# Altium PCB 3-as-manufactured.pcbdoc (part 10 of 12)
Units mil, origin at the board's own origin, x right, y up, seen from the top; angles counter-clockwise.
Board outline 2728 x 2217 mil, 8 copper layers (L1_TOP, L2_GND, L3_INNER1, L4_GND, L5_PWR, L6_INNER2, L7_GND, L8_BOT), stack 48.618 mil thick; 227 components, 321 nets, 1592 pads, 1187 vias.
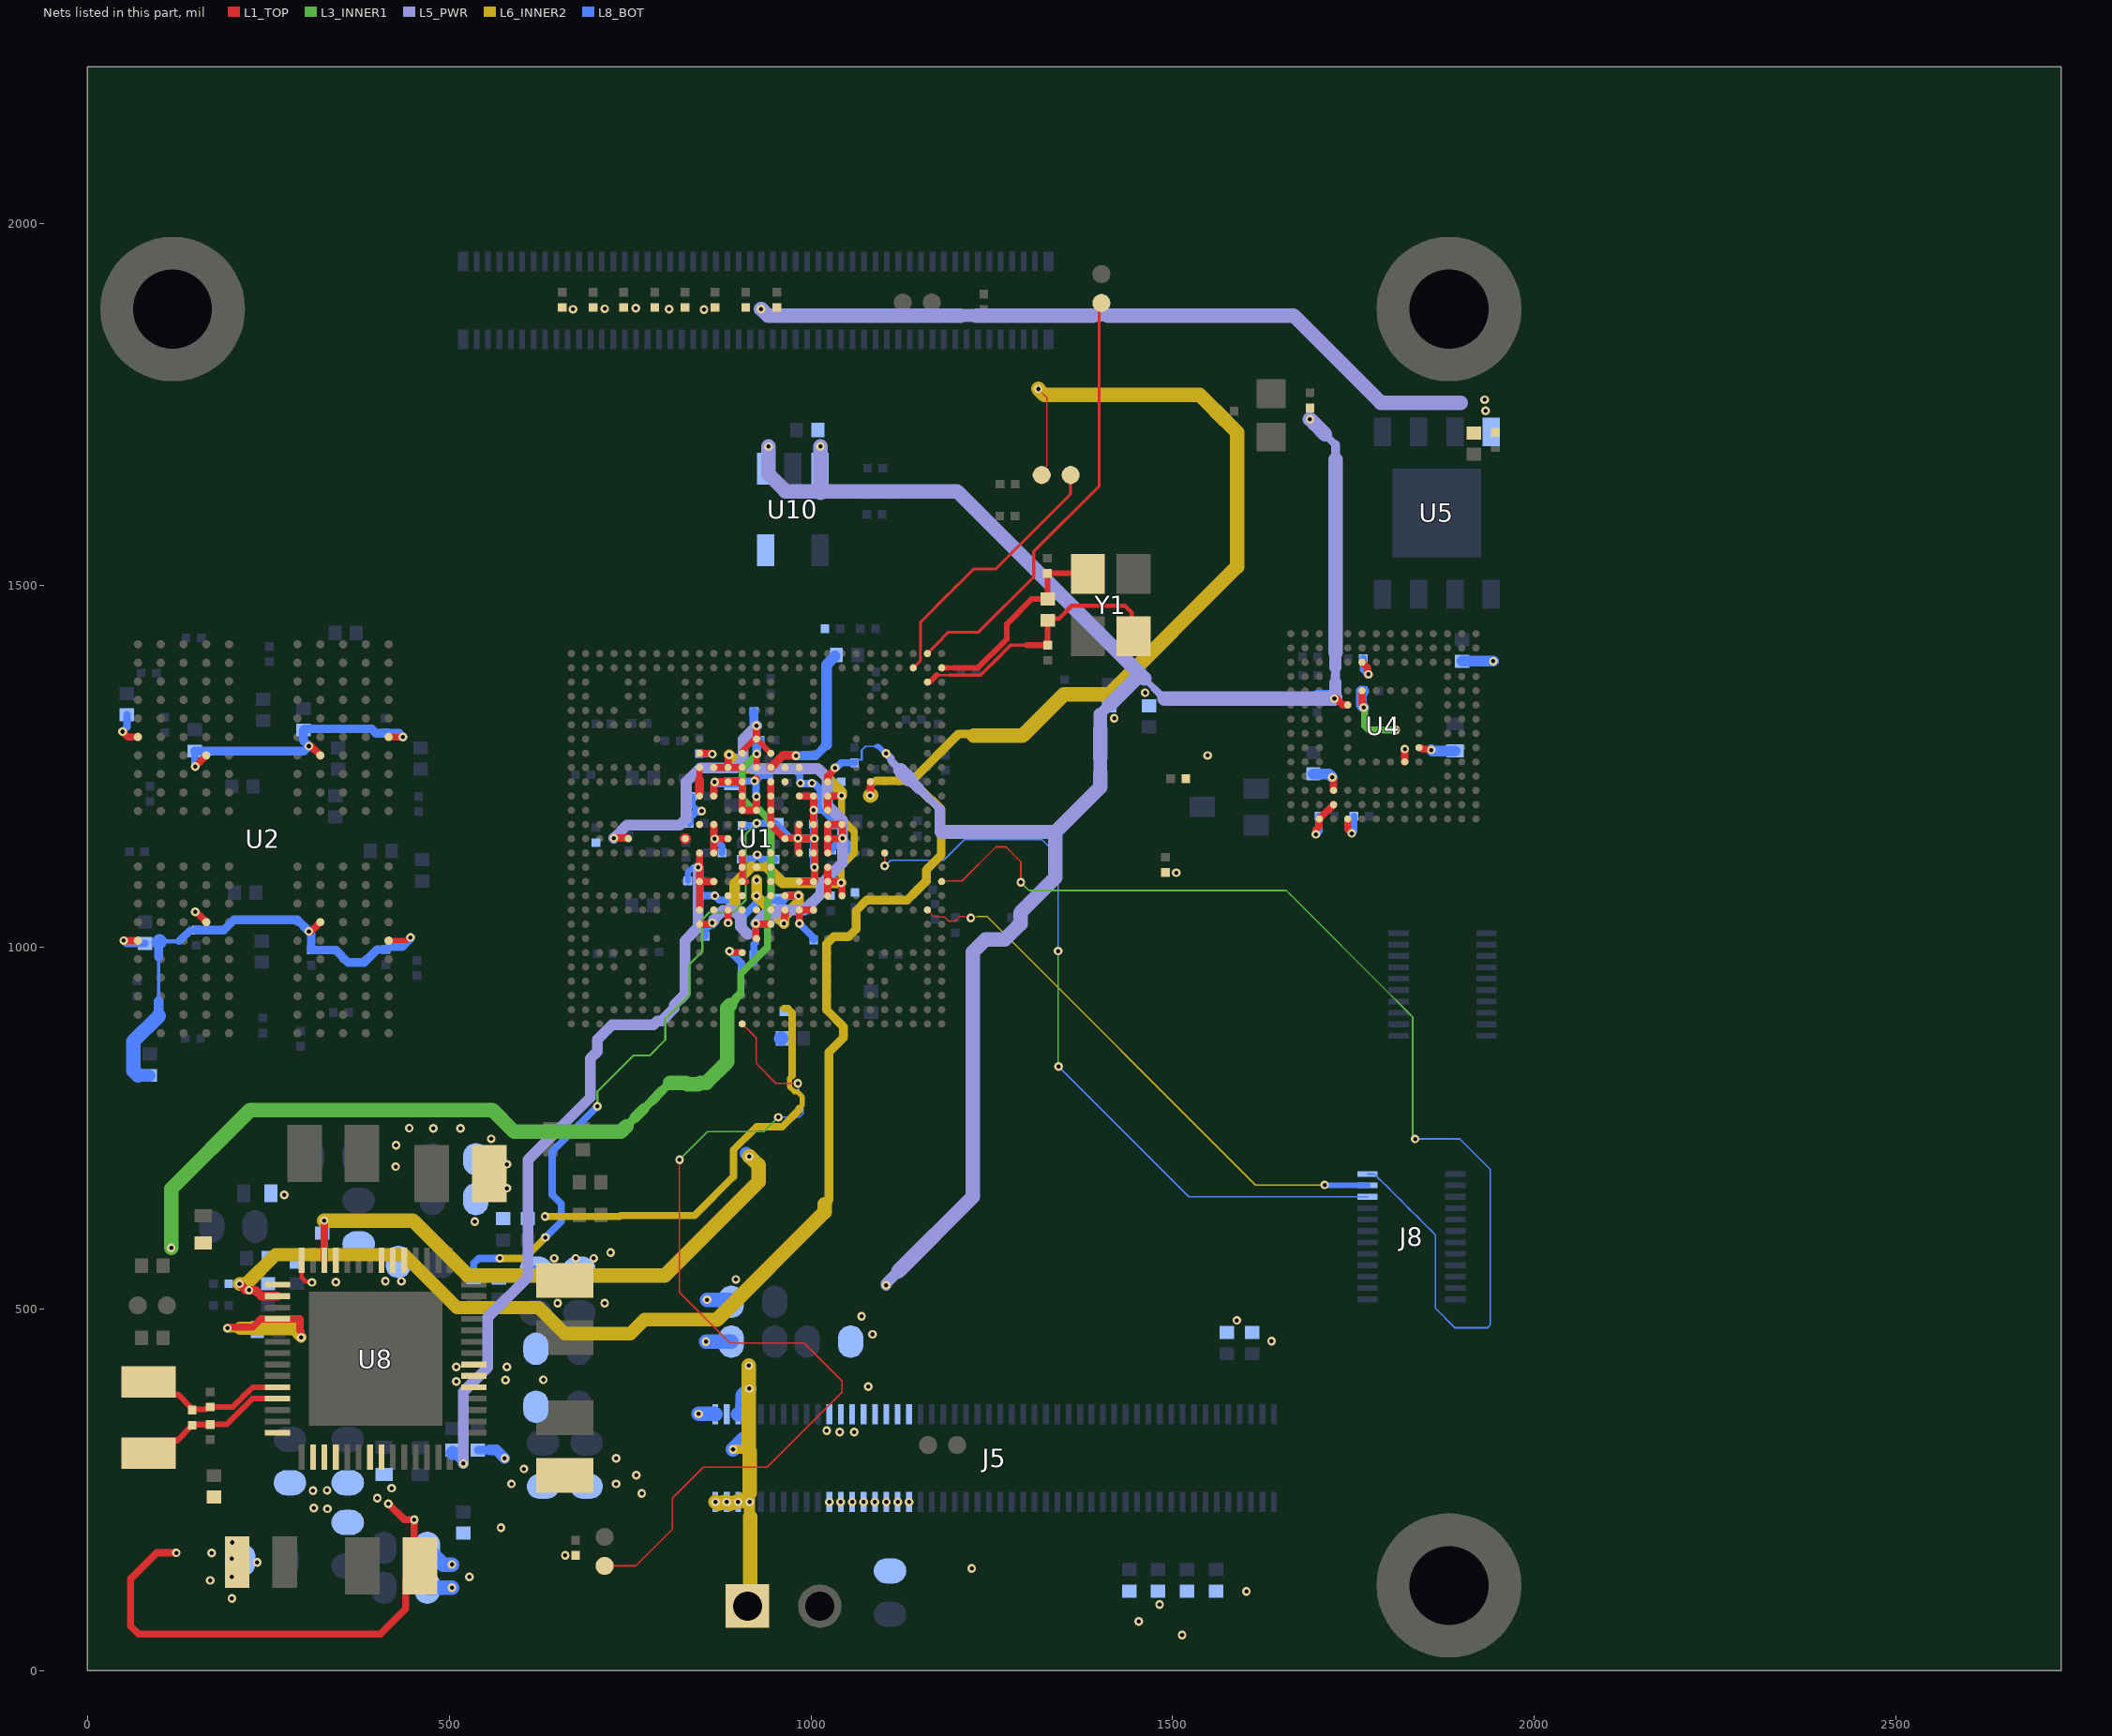
[diagram p16: the nets of this part, all layers, seen from the top]

## Via types
v1: diameter 12, hole 5.9, L1_TOP to L8_BOT, tented both sides, 1041 vias
v2: diameter 18, hole 8, L1_TOP to L8_BOT, tented both sides, 146 vias

## Nets (pads, with @x,y where several pads share a name; then routed paths per layer and width w, separated by ;. In a path a pad name is that pad's centre, name@x,y a point inside that pad or via, vN(x,y) a via of type N, cw(c..) or ccw(c..) an arc to the next point about the centre after c; other vN are vias at no path point) (continued)
VDD_1V8: C3.1 C5.1 C21.1 C23.1 C105.1 C106.1 C108.1 C109.1 C130.1 C131.1 C132.1 C133.1 C138.1 C139.1 C241.1 C266.1 C317.1 C370.1 C371.1 C372.1 C384.1 C404.1 J5.22 J5.24 J5.26 J5.28 J5.30 J5.32 J5.34 J5.36 L13.2 R10.1 R11.1 R12.1 R13.1 R14.1 R15.1 R16.1 R17.1 R37.1 R47.2 R79.2 R106.1 R117.1 R118.1 U1.AB13 U1.J11 U1.J12 U1.J13 U1.L19 U1.M19 U1.T19 U1.U19 U1.V19 U1.V20 U1.W12 U2.F1 U2.F12 U2.G4 U2.G9 U2.T4 U2.T9 U2.U1 U2.U12 U4.C6 U4.M4 U4.N4 U4.P3 U4.P5 U5.8 U8.14 | length 3266.3
  L1_TOP w8: U2.F1@416.56,1009.15 440.59,1009.15 444.94,1013.5 v1(446.83,1013.5)
  L1_TOP w10: v1(48.72,1297.99) 56.06,1290.65 U2.U12@70.1,1290.65 ; v1(50.41,1009.15) U2.F12@70.1,1009.15 ; v1(149.27,1048.78) 150.55,1048.78 U2.G9@164.59,1034.74 ; v1(149.33,1249.8) U2.T9@164.59,1265.06 ; v1(306.32,1021.95) 309.28,1021.95 U2.G4@322.07,1034.74 ; v1(306.32,1277.85) 309.28,1277.85 U2.T4@322.07,1265.06 ; U2.U1@416.56,1290.65 v1(436.24,1290.65) ; U1.J11@865.83,1248.32 U1.J12@885.52,1248.32 ; U1.W12@885.52,1051.48 885.52,1033.7 v1(885.6,1033.62) ; v1(886.89,1265.9) 885.52,1264.53 U1.J12@885.52,1248.32 ; v1(887.49,994.6) 889.67,992.42 U1.AB13@905.21,992.42 ; U1.J13@905.21,1248.32 U1.J12@885.52,1248.32 ; U1.V19@1023.31,1071.16 U1.U19@1023.31,1090.84 ; U1.T19@1023.31,1110.53 U1.U19@1023.31,1090.84 ; U1.M19@1023.31,1189.27 U1.L19@1023.31,1208.96 1042.01,1208.96 v1(1042.42,1209.37) ; U1.V20@1043,1071.16 1043,1087.75 v1(1041.63,1089.12) 1039.91,1090.84 U1.U19@1023.31,1090.84 ; v1(1697.8,1156.02) 1697.8,1162.44 1702.6,1167.24 U4.P3@1702.6,1177.31 U4.N4@1722.28,1196.99 ; v1(1720.39,1234.85) 1722.28,1232.96 U4.M4@1722.28,1216.68 ; U4.P5@1741.97,1177.31 1741.97,1162.86 v1(1747.46,1157.37) ; U4.C6@1761.65,1393.84 1769.25,1386.24 1769.25,1378.09 v1(1770.27,1377.07)
  L5_PWR w16.89: 1390.18,1873.02 1410.44,1873.02
  L5_PWR w18.47: 1207.77,1873.02 1228.04,1873.02
  L5_PWR w20.06: v1(931,1882) 931.5,1882 940.48,1873.02 1207.77,1873.02 ; 1228.04,1873.02 1390.18,1873.02 ; 1410.44,1873.02 1666.98,1873.02 1787.39,1752.61 1897.91,1752.61
  L6_INNER2 w10: v1(1041.63,1089.12) 1041.63,1111.63 1060,1130 1060,1160 1042.42,1177.58 v1(1042.42,1209.37)
  L6_INNER2 w12: 917.61,1110.76 939.24,1110.76
  L6_INNER2 w15: v1(886.89,1265.9) 905.78,1247.01 929.29,1247.01 929.6,1246.7 1009.9,1246.7 1042.42,1214.19 v1(1042.42,1209.37) ; 895,1055 895,1088.16 917.61,1110.76 ; 939.24,1110.76 960.88,1089.12 v1(1041.63,1089.12)
  L8_BOT w4.21: 98.88,925.38 98.88,986.42
  L8_BOT w5.79: 100.34,1008.23 127.13,1008.23
  L8_BOT w8: v1(886.89,1265.9) 888.98,1263.81 C5.1@905,1263.81
  L8_BOT w10: v1(48.72,1297.99) 54.89,1304.16 C106.1@54.89,1321.14 ; v1(50.41,1009.15) 54.32,1005.24 C266.1@80,1005.24 ; C108.1@148.58,1271.07 148.58,1250.55 v1(149.33,1249.8) ; v1(887.49,994.6) 904,978.09 904,971.51 C21.1@905,970.51 ; v1(1697.8,1156.02) 1702.49,1160.71 C133.1@1702.49,1181 ; v1(1747.46,1157.37) 1750.49,1160.4 C132.1@1750.49,1181 ; C131.1@1763.21,1399.15 1763.21,1384.13 v1(1770.27,1377.07)
  L8_BOT w10.55: 127.13,1008.23 142.43,1023.52
  L8_BOT w12: C108.1@148.58,1271.07 299.54,1271.07 v1(306.32,1277.85) 298.93,1285.24 C109.1@298.93,1300.23 300.53,1301.83 392.82,1301.83 398.93,1295.72 C384.1@411.64,1295.72 431.17,1295.72 v1(436.24,1290.65) ; C372.1@150.6,1023.53 188.64,1023.53 203.01,1037.9 290.37,1037.9 v1(306.32,1021.95) 309.5,1018.77 C371.1@309.5,996.14 343.46,996.14 360.49,979.11 382.82,979.11 400.46,996.75 C370.1@412.78,996.75 417.03,1001 435.45,1001 436.78,1002.33 436.78,1002.64 446.83,1012.69 v1(446.83,1013.5)
  L8_BOT w12.13: 98.88,986.42 98.88,1006.77
  L8_BOT w13.72: 98.88,905.04 98.88,925.38
  L8_BOT w15: C130.1@1694.3,1239.43 1715.81,1239.43 v1(1720.39,1234.85) ; R37.1@1900,1395.24 v1(1943,1395.24)
  L8_BOT w16.89: 70.3,822.85 C105.1@86.18,822.85
  L8_BOT w20.06: 70.3,822.85 63.62,829.54 63.62,869.77 98.88,905.04 ; 98.88,1006.77 100.34,1008.23
  other v1: 200,100 170,125 200,130 1222.2,141.47 235,150 200,155 660.47,159.76 172.07,163.02 200.46,177.43 1025.54,233.27 1041.29,233.27 1057.04,233.27 1072.79,233.27 1088.54,233.27 1104.28,233.27 1120.03,233.27 1135.78,233.27 1504.72,1102.89 1548.33,1265.01 1419.2,1316.29 1461.88,1351.72 1932.21,1741.27 1931.17,1756.61 671.16,1881.64 804,1882 852.29,1881.17 715.11,1882.29 757.93,1883.15
VDD_3V3: C6.1 C8.1 C30.1 C127.1 C128.1 C129.1 C260.1 C264.1 C311.1 C312.1 C323.2 C403.1 C407.2 J5.21 J5.23 J5.25 J5.27 J5.29 J5.31 J5.33 J5.35 L11.2 R71.2 R72.2 R75.2 R76.2 R95.2 R97.2 R125.1 R146.1 U1.H10 U1.K19 U1.W17 U1.W18 U1.Y10 U4.E6 U4.F5 U4.J10 U4.K9 U8.21 U8.22 U10.1 U10.3 | length 4090.6
  L1_TOP w10: v1(123.07,163.15) 96.15,163.15 60,127 60,62 71,51 405,51 440,86 440,125.25 L11.2@459.75,145 ; v1@416.36,230.83 438.44,208.74 v1(451.9,208.74) L11.2@451.9,152.85 ; U1.Y10@846.15,1031.79 861.97,1031.79 v1(863.9,1033.72) ; U1.H10@846.15,1268.01 862.78,1268.01 v1(863.89,1266.9) ; v1(984.23,1032.76) 983.95,1033.04 U1.W17@983.95,1051.48 U1.W18@1003.63,1051.48 ; U1.K19@1023.31,1228.64 1023.31,1236.22 1033.43,1246.34 v1(1033.43,1247.96) ; v1(1723.44,1343.44) 1726.61,1343.44 1735.26,1334.79 U4.F5@1741.97,1334.79 ; U4.E6@1761.65,1354.47 1761.65,1337.53 1763.97,1335.21 v1(1763.97,1331.16) ; U4.K9@1820.71,1256.05 v1(1820.71,1273.9) ; U4.J10@1840.39,1275.73 1843.21,1275.73 1845.32,1273.62 1856.51,1273.62 v1(1857.46,1272.66)
  L3_INNER1 w10: v1(1763.97,1331.16) 1765.12,1330.01 1765.12,1305.92 1770.98,1300.06 v1(1808.22,1300.06)
  L5_PWR w8.96: 1460.65,1371.38 1475.14,1356.9
  L5_PWR w10.55: v1(1104,1268) 1104,1267.61 1110.73,1260.88 1110.73,1257.8 1124.08,1244.44 ; 1162.83,1205.7 1165.98,1202.54 1166.61,1202.54 1174.38,1194.77 1174.38,1194.14 1178.11,1190.41 ; 1475.14,1356.9 1488.59,1343.44 ; 1710.51,1708.91 1724.93,1694.49
  L5_PWR w12.13: 1149.91,1218.61 1162.83,1205.7 ; 1724.93,1365.97 1724.93,1386.51 ; 1724.93,1673.95 1724.93,1694.49
  L5_PWR w13.72: 1178.11,1159.38 1178.11,1190.41
  L5_PWR w15: v1(863.9,1033.72) 865.9,1035.72 865.9,1038.24 878.48,1050.82 892.72,1050.82 902.8,1040.74 902.8,1028.2 913,1018
  L5_PWR w15.3: v1(1104,533) 1104,535.32 1120.79,552.11 ; 1137,1231.53 1149.91,1218.61 ; 1400.08,1321.97 1413.7,1335.59
  L5_PWR w16.89: v1@1724.93,1345.44 1724.93,1365.97 ; 1724.93,1386.51 1724.93,1407.04
  L5_PWR w18.47: 1400.08,1241.56 1400.08,1261.66 ; 1400.08,1301.87 1400.08,1321.97 ; v1@1723.44,1343.44 v1@1724.93,1345.44
  L5_PWR w20: 1180.95,1159.38 1338.02,1159.38
  L5_PWR w20.06: v1(941.47,1691.83) 941.47,1653.53 965,1630 1202.03,1630 1454.55,1377.48 ; 1013,1628 v1(1013,1692) ; 1120.79,552.11 1224.06,655.38 1224.06,993.38 1241.1,1010.41 1267.73,1010.41 1289.53,1032.21 1289.53,1047.85 1338.02,1096.34 1338.02,1159.38 1400.08,1221.45 1400.08,1241.56 ; 1124.08,1244.44 1137,1231.53 ; 1400.08,1261.66 1400.08,1301.87 ; 1413.7,1335.59 1454.49,1376.38 1454.49,1377.42 1454.55,1377.48 ; 1460.65,1371.38 1454.55,1377.48 ; 1488.59,1343.44 v1@1723.43,1343.44 ; v1(1689.65,1729.77) 1696.09,1723.33 1710.51,1708.91 ; 1724.93,1407.04 1724.93,1673.95
  L8_BOT w2.2: 1075.63,1277.54 1089.12,1277.54
  L8_BOT w2.62: C30.1@1060.23,1255 1064.23,1259 1070.28,1259 1070.28,1272.19 1075.63,1277.54
  L8_BOT w4.21: 1089.12,1277.54 1091.88,1277.51
  L8_BOT w7.38: 1091.88,1277.51 1093.24,1277.51 1102.75,1268 v1(1104,1268)
  L8_BOT w10: C8.1@845.89,1267.39 863.4,1267.39 v1(863.89,1266.9) ; C264.1@853.93,1015.27 853.93,1023.75 v1(863.9,1033.72) ; v1(984.23,1032.76) 1003.78,1013.21 C6.1@1003.78,1010.06 ; v1(1033.43,1247.96) 1035.05,1247.96 1042.09,1255 C30.1@1060.23,1255
  L8_BOT w15: C128.1@1699.59,1345.4 1699.59,1348.39 1718.49,1348.39 v1(1723.44,1343.44) ; C129.1@1763.65,1354.01 1760.66,1354.01 1760.66,1334.47 v1(1763.97,1331.16) ; v1(1857.46,1272.66) 1858.82,1271.3 C127.1@1890,1271.3
  L8_BOT w20.06: C312.1@470,115 v1(504,115) ; C311.1@470,170 470,169.04 492.04,147 v1(504,147)
  other v1: 1512.93,49.69 1453,68.44 1481.89,91.66 1601.74,109.78 528,130 571.79,197.89 416.01,230.83 420.52,252.51 1040,330 1060,330 1021.97,332.07 1079.47,392.65 1636.55,455.68 1085,465 1588.61,484.38 1070,490
VDD_ARM_0V9: C33.1 C35.1 C36.1 C248.1 C251.1 C253.1 C283.1 C287.1 L6.2 R140.1 R141.2 U1.R13 U1.R15 U1.T13 U1.T14 U1.T15 U1.U13 U1.U15 U1.V13 U1.V15 U1.V16 U1.W13 U1.W14 U1.W15 U1.W16 | length 1056.6
  L1_TOP w8.96: U1.R13@905.21,1130.22 905.2,1125.2 905.2,1115.55 U1.T13@905.21,1110.53 905.2,1105.51 905.2,1095.87 905.22,1090.85 910.71,1090.82
  L1_TOP w10: v1(962.53,1033) 963.49,1033.96 963.49,1042.11 964.26,1042.89 U1.W16@964.26,1051.48 ; U1.V16@964.26,1071.16 982.8,1071.16 v1(982.84,1071.12)
  L6_INNER2 w7.11: 974,822.67 970.25,818.91 970.25,807.13 977.13,800.25 981.27,800.25 988.16,793.36 988.16,781.58 983.79,777.21
  L6_INNER2 w10: v1(632.7,628.07) 735.76,628.07 736.89,629.2 839.41,629.2 893,682.79 893,715 893,720 924.85,751.85 960.38,751.85 983.79,775.25 983.79,777.21 ; 962.88,915.38 968.14,915.38 974,909.52 974,822.67
  L6_INNER2 w15: v1(924.98,1092.68) 924.98,1071.07 v1(924.89,1070.98) 924.89,1070.64 v1(962.53,1033) 962.53,1041.92 982.84,1062.23 v1(982.84,1071.12)
  L8_BOT w10: C35.1@903.85,1121.91 920.29,1121.91 v1@925.89,1127.51 ; C251.1@905.13,1034.88 905.13,1041.32 924.89,1061.08 v1(924.89,1070.98) ; v1(924.98,1092.68) 924.89,1092.59 v1(924.89,1070.98) ; v1(925.89,1127.68) v1@925.89,1127.51 ; C36.1@943.44,1038.17 944.44,1037.17 957.01,1037.17 961.18,1033 v1(962.53,1033) ; C253.1@950.36,1121.63 931.77,1121.63 v1@925.89,1127.51 ; v1@962.53,1033.35 962.53,1055.75 C33.1@953.1,1065.18 ; C248.1@981.72,1051.61 981.72,1070.04 v1@982.82,1071.14 ; v1(982.84,1071.12) v1@982.8,1071.16 ; v1(924.89,1070.98) 930.69,1065.18 C33.1@953.1,1065.18 ; C33.1@953.1,1065.18 962.99,1065.18 968.97,1071.16 v1@982.8,1071.16
  other v1: 535.57,620.72 580,667 580,700 558.26,735.18
VDD_DRAM&PU_0V9: C20.1 C48.1 C54.1 C55.1 C61.1 C65.1 C74.1 C78.1 C303.1 C304.1 L10.2 R144.1 R145.2 U1.J10 U1.K12 U1.K13 U1.L10 U1.L11 U1.L13 U1.M13 U1.M14 U1.N10 U1.N11 U1.P9 U1.P12 U1.R10 U1.R11 U1.U10 U1.U11 U1.V12 U1.W10 U1.W11 | length 1654.4
  L1_TOP w8.96: 846.14,1231.3 U1.J10@846.15,1248.32
  L1_TOP w10: U1.W10@846.15,1051.48 U1.U10@846.15,1090.84 ; U1.R10@846.15,1130.22 846.15,1112.36 v1(844.4,1110.61) 846.15,1108.86 U1.U10@846.15,1090.84 ; U1.U11@865.83,1090.84 U1.U10@846.15,1090.84 ; U1.R11@865.83,1130.22 865.83,1148.45 v1(867.14,1149.76) ; U1.N11@865.83,1169.58 865.83,1151.07 v1(867.14,1149.76) ; U1.L11@865.83,1208.96 865.83,1227.08 v1(867.15,1228.4) 867.39,1228.64 U1.K12@885.52,1228.64 U1.K13@905.21,1228.64 U1.L13@905.21,1208.96 U1.M13@905.21,1189.27 U1.M14@924.89,1189.27 v1(924.89,1208.1) ; U1.P12@885.52,1149.9 867.28,1149.9 v1(867.14,1149.76) ; v1(922.17,1229.81) v1@924.89,1232.53
  L1_TOP w12.13: 846.14,1214.28 846.14,1231.3
  L5_PWR w15: v1(519.94,286.35) 519.94,385.62 553.47,419.15 553.47,488.47 609,544 609,706.2 695,792.2 695,846 704.82,855.82 704.82,872.48 724.91,892.57 782.48,892.57 788.08,898.18 793.51,898.18 810.97,915.64 810.97,920.1 826,935.13 826,1009 844.4,1027.4 v1(844.4,1110.61)
  L8_BOT w8: C61.1@829.94,1091.56 829.94,1103.11 837.44,1110.61 v1(844.4,1110.61) ; C78.1@836.76,1208.61 836.76,1196.24 843.32,1189.68
  L8_BOT w10: R145.2@505.19,301.1 v1(519.94,286.35) ; C74.1@831.9,1171.19 832.9,1172.19 832.9,1179.26 840.76,1187.13 848.15,1187.13 v1(849.1,1188.08) ; C48.1@844.62,1065.03 850.75,1071.16 v1(867.31,1071.16) 873.3,1065.17 C55.1@892.54,1065.17 ; v1(867.14,1149.76) 877.33,1139.57 C54.1@877.33,1130.41 ; v1(867.15,1228.4) 869.77,1225.78 C20.1@890.07,1225.78 901.67,1225.78 905.69,1229.8 v1(922.17,1229.81) 924.29,1227.69 924.29,1208.7 v1(924.89,1208.1)
  L8_BOT w11.72: R145.2@505,301.29 R145.2@505,305.24 ; R144.1@540,305.24 556.05,305.24
  L8_BOT w12: v1(922.17,1229.81) 930.96,1238.6 C65.1@941.7,1238.6
  L8_BOT w15: 556.05,305.24 565.45,305.24 v1(576.95,293.74)
  L8_BOT w19.61: R145.2@505,301.29 R145.2@505.19,301.1
  other v1: 766.25,245.16 586.26,258.28 731.03,258.28 758.89,270.25 603.49,279.07 731.03,293.74
VDD_PHY_0V9: C1.1 C360.1 U1.J14 U8.1 | length 1475
  L1_TOP w8: U1.J14@924.89,1248.32 925.15,1248.58 925.15,1266.83 v1(925.4,1267.08)
  L3_INNER1 w10: 901.87,935.01 903.24,936.38 903.24,963.31 940,1000.07 940,1065.58 945,1070.58 945,1173.67 928.67,1190 920.86,1190 905,1205.86 905,1246.3 925.4,1266.7 v1(925.4,1267.08)
  L3_INNER1 w10.18: 884.32,908.09 884.32,908.22 888.01,911.91
  L3_INNER1 w11.9: 888.14,919.75 895.74,927.35 895.74,928.88 901.87,935.01
  L3_INNER1 w12.13: 745.02,752.5 757.07,764.55 ; 769.13,776.61 781.18,788.66 ; 793.24,800.72 805.29,812.77
  L3_INNER1 w13.72: 781.18,788.66 793.24,800.72
  L3_INNER1 w15.3: 757.07,764.55 769.13,776.61
  L3_INNER1 w20: 884.32,841.37 884.32,908.09 ; 884.32,908.22 884.32,915.93 888.14,919.75
  L3_INNER1 w20.06: v1(115.97,584.67) 115.97,665.97 225,775 560,775 590,745 737.52,745 745.02,752.5 ; 805.29,812.77 827.25,812.77 829.56,810.46 844.5,810.46 846.82,812.77 855.73,812.77 884.32,841.37
  L8_BOT w12: v1(925.4,1267.08) 925.3,1267.19 925.3,1281.97 C1.1@929.78,1286.45
VDD_PHY_1V2: C244.1 C405.1 C408.1 U1.J15 U10.5 | length 218
  L1_TOP w11.85: 950.26,1254.01 961.49,1265.24 978.88,1265.24 v1(979.4,1264.72)
  L1_TOP w12: U1.J15@944.57,1248.32 950.26,1254.01
  L8_BOT w12: v1(979.4,1264.72) 1006.62,1264.72 1021.62,1279.72
  L8_BOT w15: 1021.62,1279.72 1021.62,1390.38 C405.1@1033.54,1402.3
VDD_SNVS_0V8: C9.1 C337.1 R113.1 U1.K22 U8.2 | length 3021.9
  L1_TOP w2.2: v1(1314.19,1771.44) 1326,1759.63 1326,1699 1325.94,1698.94 1325.94,1665.26 1319.01,1658.33 R113.1@1319.01,1652.57
  L1_TOP w10: v1(1081.98,1209.79) 1082.37,1210.18 U1.K22@1082.37,1228.64
  L1_TOP w12.13: v1(210.49,534.87) 219.38,525.98 v1(223.5,525.98) 232.35,525.99 240.49,517.84 U8.2@262.86,517.84
  L6_INNER2 w7.38: v1(1081.98,1209.79) 1082.08,1209.89 1082.08,1221.9 1090.18,1230
  L6_INNER2 w12.13: 1019.01,644.82 1025,650.81 1025,855 1045,875 1045,890 1021.57,913.43 1021.57,990 1021.57,1004.57 1026.69,1009.69 1031.61,1014.61 1052.09,1014.61 1062.42,1024.94 1062.42,1050.32 1077.11,1065 1133,1065 1147,1079 1159.46,1091.46 1159.46,1106.63 1180,1127.18 1180,1136.57 1180,1190.27 1166.94,1203.34 1166.11,1203.34 1139.45,1230 ; 1090.18,1230 1139.45,1230 ; 1225,1292.47 1221.37,1292.47 1219.13,1294.71 1204.16,1294.71 1139.45,1230
  L6_INNER2 w18.47: v1(210.49,534.87) 210.58,534.79 219.9,534.79 260.27,575.16 437.71,575.16 510.87,502 624,502 660,466 750.72,466 770.15,485.43 870.43,485.43
  L6_INNER2 w20.06: 870.43,485.43 1019.01,634.01 1019.01,644.82 ; v1(1081.98,1209.79) v1@1082.98,1210.37 ; 1225,1292.47 1292.67,1292.47 1349.69,1349.49 1412.46,1349.49 1588.79,1525.82 1588.79,1711.79 1557.96,1742.62 ; v1(1314.19,1771.44) 1322.58,1763.05 1537.53,1763.05 1557.68,1742.9
VDD_SOC_0V8: C15.1 C16.1 C234.2 C235.1 C247.1 C254.1 C255.1 C256.1 C275.1 C285.1 L5.2 R142.1 R143.2 U1.J16 U1.J17 U1.K15 U1.K16 U1.L15 U1.L17 U1.L18 U1.M15 U1.N13 U1.N15 U1.N17 U1.N18 U1.P16 U1.R17 U1.R18 U1.U17 U1.U18 | length 1597.5
  L1_TOP w10: U1.K15@944.57,1228.64 U1.L15@944.57,1208.96 U1.M15@944.57,1189.27 U1.N15@944.57,1169.58 U1.P16@964.26,1149.9 965.05,1150.69 v1(982.31,1150.69) ; U1.U17@983.95,1090.84 U1.U18@1003.63,1090.84 1005.14,1092.35 v1(1005.14,1110.33) 1005.14,1128.71 U1.R18@1003.63,1130.22 1004.84,1131.43 v1(1004.84,1150.24) ; U1.R17@983.95,1130.22 982.31,1131.86 v1(982.31,1150.69) ; U1.N17@983.95,1169.58 982.31,1167.94 v1(982.31,1150.69) ; U1.L17@983.95,1208.96 U1.L18@1003.63,1208.96 1003.82,1208.77 v1(1003.82,1189.45) 1003.63,1189.26 U1.N18@1003.63,1169.58 1004.84,1168.37 v1(1004.84,1150.24) ; v1(982.31,1150.69) 982.76,1150.24 v1(1004.84,1150.24)
  L3_INNER1 w3: v1(705,780) 705,800.72 754.81,850.53 777.53,850.53 799,872 799,901 832.05,934.05 832.05,976.2 849.99,994.14 849.99,1038.29 859.55,1047.85 892.85,1047.85 910,1065 910,1156.32 921.18,1167.5 v1@923.81,1167.5
  L6_INNER2 w10: v1(570,570) 604,570 v1(633,599)
  L8_BOT w5: v1@569,569 v1(570,570)
  L8_BOT w10: R143.2@534,543.52 534,563 541,570 v1(570,570) ; R142.1@569,543 596.24,543 608.24,555 C275.1@620,555 ; v1(633,599) 655,621 655,645.54 642.37,658.17 642.37,717.37 v1(705,780) ; C16.1@905.26,1168.18 921.86,1168.18 v1(925.1,1171.42) 950.83,1171.42 C247.1@952.67,1169.58 971.56,1150.69 v1(982.31,1150.69) 982.76,1150.24 v1(1004.84,1150.24) ; C256.1@967.36,1248.35 968.36,1247.35 975.43,1247.35 984.66,1238.12 984.66,1227.69 v1(985.62,1226.73) ; v1@985.77,1226.89 986.48,1226.18 1000.82,1226.18 v1(1001.37,1226.73) ; v1@1001.93,1226.74 1002.9,1225.77 1005.13,1225.77 1013.65,1217.25 1013.65,1210.18 C235.1@1014.65,1209.18 1014.65,1208.19 1014.64,1201.62 1003.82,1190.8 v1(1003.82,1189.45) ; C15.1@1002.87,1090.78 1005.14,1093.05 v1(1005.14,1110.33) 1003.71,1111.76 C255.1@1003.71,1130.38 1003.71,1149.11 v1(1004.84,1150.24) ; C234.2@1032.67,1173.08 1016.3,1189.45 v1(1003.82,1189.45) ; v1(1003.82,1189.45) 1003.82,1170.18 C254.1@1003.69,1170.05 1003.69,1151.39 v1(1004.84,1150.24)
  other v1: 650.13,508.07 715,508.07 645.35,570 675,570 700,570 723.37,577.94 426.22,696.86 426.78,726.53 445,750 478.43,749.71 515.89,749.62
VDDA_1V8: C99.1 C100.1 C101.1 C104.1 C265.1 C267.1 C363.1 C400.1 U1.AA14 U1.G14 U1.H13 U1.H15 U1.N19 U1.N20 U1.P5 U1.P19 U1.R19 U1.Y15 U8.54 | length 1869.1
  L1_TOP w8: U1.H13@905.21,1268.01 905.21,1270.22 922.69,1287.7 U1.G14@924.89,1287.7 U1.H15@944.57,1268.01
  L1_TOP w10: U8.54@327.82,567.06 v1@327.82,621.93 ; v1(727.89,1150.9) 746.73,1150.9 U1.P5@747.73,1149.9 ; U1.AA14@924.89,1012.1 924.02,1012.97 v1(924.02,1032.9) 925.13,1031.79 U1.Y15@944.57,1031.79 ; U1.G14@924.89,1287.7 v1(924.89,1305.9) ; U1.R19@1023.31,1130.22 U1.P19@1023.31,1149.9 ; U1.P19@1023.31,1149.9 1042.81,1149.9 v1(1043.56,1150.65) 1043.56,1169.02 U1.N20@1043,1169.58 U1.N19@1023.31,1169.58 U1.P19@1023.31,1149.9
  L5_PWR w15: v1(727.89,1150.9) 745.99,1169 818.93,1169 827.72,1177.79 827.72,1228.39 847.16,1247.84 896.21,1247.84 906.47,1258.09 ; v1(924.02,1032.9) 938.06,1046.94 952.43,1046.94 956.93,1051.44 991.44,1051.44 1014.15,1074.15 1014.15,1087.25 1043.56,1116.66 v1(1043.56,1150.65) 1043.56,1175.61 1022.62,1196.55 1022.62,1233.97 1010.04,1246.56 929.75,1246.56 929.29,1247.01 918.27,1247.01 907.18,1258.09 906.47,1258.09 ; v1(924.89,1305.9) 906.47,1287.48 906.47,1258.09
  L6_INNER2 w20: v1(327.46,622.28) 449.91,622.28 525.83,546.37 798.37,546.37 927.54,675.54 927.54,698.94 915.82,710.66 v1(914.76,710.66)
  L8_BOT w10: 921.15,978.23 921.15,988.41 921.28,988.54 C99.1@921.28,989.41 921.28,1004.25 924.02,1006.99 v1(924.02,1032.9) ; C101.1@1028.89,1134.41 1028.89,1135.98 v1(1043.56,1150.65) 1055.03,1139.18 C104.1@1055.03,1131.45
  L8_BOT w12: C100.1@921.38,1325.9 921.38,1309.41 v1(924.89,1305.9)
  L8_BOT w18.47: 910.52,715 910.52,714.9 v1(914.76,710.66)
  other v1: 272.15,657.7
VINT: C406.1 U8.4 | length 239.1
  L1_TOP w10: v1(193.69,473.51) 195.17,475 228.7,475 239.35,485.65 239.8,485.65 240.49,486.35 U8.4@262.86,486.35 293.87,486.36 293.87,470.25 295.54,468.59 295.54,461.18 v1(295.74,460.97) ; 294.01,470.11 294.01,470.25
  L6_INNER2 w12.13: v1(193.69,473.51) 211.59,473.51
  L6_INNER2 w15.3: 283.2,473.51 v1(295.74,460.97)
  L6_INNER2 w18.47: 211.59,473.51 229.49,473.51
  L6_INNER2 w20.06: 229.49,473.51 283.2,473.51
VSYS_5V: C10.1 C11.1 C12.1 C13.1 C279.2 C281.2 C295.2 C301.2 C306.2 C307.2 C316.2 C401.2 C402.2 J5.1 J5.2 J5.3 J5.4 J5.5 J5.6 J5.7 J5.8 J6.1 U8.16 U8.17 U8.18 U8.33 U8.34 U8.35 U8.47 U8.48 U8.49 U8.53 U8.56 | length 642.3
  L1_TOP w6: U8.56@296.33,567.06 296.33,543.7 302.01,538.03 309.32,538.03 v1(310.46,536.88)
  L6_INNER2 w12.13: v1(892.45,305.97) 914.36,305.97
  L6_INNER2 w15.3: v1@910.33,233.82 v1(915.31,233.27) ; 915.31,213.16 v1(915.31,233.27) ; 915.32,245.57 v1(915.31,233.27)
  L6_INNER2 w20.06: v1(868.06,233.27) 872.32,230.67 878.84,232.72 v1(883.81,233.27) 888.07,230.67 894.59,232.72 v1(899.56,233.27) 903.82,235.89 v1@910.33,233.82 ; J6.1@912.42,89.57 915.86,93.03 915.86,212.61 ; 914.36,304.27 915.32,303.31 915.32,245.57 ; 914.36,305.97 v1(914.37,421.71)